# KiCad board poly_kb_molecule_16x5.kicad_pcb (continued)
## Placement (name value [footprint] x y rotation side) (continued)
C6#41  1uF  [C_0402_1005Metric]  274.95 49.91 0 bottom
C6#42  1uF  [C_0402_1005Metric]  179.71 49.91 0 bottom
C6#43  1uF  [C_0402_1005Metric]  84.45 49.91 0 bottom
C6#44  1uF  [C_0402_1005Metric]  141.6 88.01 0 bottom
C6#45  1uF  [C_0402_1005Metric]  27.3 11.81 0 bottom
C6#46  1uF  [C_0402_1005Metric]  27.3 68.96 0 bottom
C6#47  1uF  [C_0402_1005Metric]  294 11.81 0 bottom
C6#48  1uF  [C_0402_1005Metric]  46.36 11.81 0 bottom
C6#49  1uF  [C_0402_1005Metric]  122.56 11.81 0 bottom
C6#50  1uF  [C_0402_1005Metric]  122.56 49.91 0 bottom
C6#51  1uF  [C_0402_1005Metric]  198.75 68.96 0 bottom
C6#52  1uF  [C_0402_1005Metric]  122.56 88.01 0 bottom
C6#53  1uF  [C_0402_1005Metric]  255.9 68.96 0 bottom
C6#54  1uF  [C_0402_1005Metric]  65.41 68.96 0 bottom
C6#55  1uF  [C_0402_1005Metric]  46.36 68.96 0 bottom
C6#56  1uF  [C_0402_1005Metric]  103.5 11.81 0 bottom
C6#57  1uF  [C_0402_1005Metric]  217.81 88.01 0 bottom
C6#58  1uF  [C_0402_1005Metric]  84.45 30.86 0 bottom
C6#59  1uF  [C_0402_1005Metric]  294 49.91 0 bottom
C6#60  1uF  [C_0402_1005Metric]  179.71 30.86 0 bottom
C6#61  1uF  [C_0402_1005Metric]  65.41 88.01 0 bottom
C6#62  1uF  [C_0402_1005Metric]  160.66 11.81 0 bottom
C6#63  1uF  [C_0402_1005Metric]  141.6 30.86 0 bottom
C6#64  1uF  [C_0402_1005Metric]  141.6 11.81 0 bottom
C6#65  1uF  [C_0402_1005Metric]  84.45 11.81 0 bottom
C6#66  1uF  [C_0402_1005Metric]  294 30.86 0 bottom
C6#67  1uF  [C_0402_1005Metric]  236.86 49.91 0 bottom
C6#68  1uF  [C_0402_1005Metric]  179.71 88.01 0 bottom
C6#69  1uF  [C_0402_1005Metric]  236.86 30.86 0 bottom
C6#70  1uF  [C_0402_1005Metric]  217.81 49.91 0 bottom
C6#71  1uF  [C_0402_1005Metric]  27.3 30.86 0 bottom
C6#72  1uF  [C_0402_1005Metric]  294 88.01 0 bottom
C6#73  1uF  [C_0402_1005Metric]  236.86 68.96 0 bottom
C6#74  1uF  [C_0402_1005Metric]  65.41 11.81 0 bottom
C6#75  1uF  [C_0402_1005Metric]  27.3 49.91 0 bottom
C6#76  1uF  [C_0402_1005Metric]  141.6 68.96 0 bottom
C6#77  1uF  [C_0402_1005Metric]  160.66 68.96 0 bottom
C6#78  1uF  [C_0402_1005Metric]  198.75 11.81 0 bottom
C6#79  1uF  [C_0402_1005Metric]  198.75 49.91 0 bottom
C6#80  1uF  [C_0402_1005Metric]  236.86 11.81 0 bottom
C7  100nF  [C_0603_1608Metric]  291.12 55.21 270 top
C7#2  100nF  [C_0603_1608Metric]  272.07 36.16 270 top
C7#3  100nF  [C_0603_1608Metric]  291.12 74.26 270 top
C7#4  100nF  [C_0603_1608Metric]  81.57 74.26 270 top
C7#5  100nF  [C_0603_1608Metric]  176.82 17.11 270 top
C7#6  100nF  [C_0603_1608Metric]  100.62 74.26 270 top
C7#7  100nF  [C_0603_1608Metric]  119.67 93.31 270 top
C7#8  100nF  [C_0603_1608Metric]  5.37 74.26 270 top
C7#9  100nF  [C_0603_1608Metric]  62.52 55.21 270 top
C7#10  100nF  [C_0603_1608Metric]  138.72 36.16 270 top
C7#11  100nF  [C_0603_1608Metric]  291.12 17.11 270 top
C7#12  100nF  [C_0603_1608Metric]  233.97 74.26 270 top
C7#13  100nF  [C_0603_1608Metric]  62.52 74.26 270 top
C7#14  100nF  [C_0603_1608Metric]  272.07 17.11 270 top
C7#15  100nF  [C_0603_1608Metric]  100.62 17.11 270 top
C7#16  100nF  [C_0603_1608Metric]  157.77 74.26 270 top
C7#17  100nF  [C_0603_1608Metric]  138.72 55.21 270 top
C7#18  100nF  [C_0603_1608Metric]  195.87 74.26 270 top
C7#19  100nF  [C_0603_1608Metric]  119.67 74.26 270 top
C7#20  100nF  [C_0603_1608Metric]  43.47 93.31 270 top
C7#21  100nF  [C_0603_1608Metric]  214.92 74.26 270 top
C7#22  100nF  [C_0603_1608Metric]  214.92 55.21 270 top
C7#23  100nF  [C_0603_1608Metric]  5.37 17.11 270 top
C7#24  100nF  [C_0603_1608Metric]  233.97 55.21 270 top
C7#25  100nF  [C_0603_1608Metric]  138.72 74.26 270 top
C7#26  100nF  [C_0603_1608Metric]  253.02 74.26 270 top
C7#27  100nF  [C_0603_1608Metric]  291.12 93.31 270 top
C7#28  100nF  [C_0603_1608Metric]  24.42 74.26 270 top
C7#29  100nF  [C_0603_1608Metric]  157.77 55.21 270 top
C7#30  100nF  [C_0603_1608Metric]  119.67 17.11 270 top
C7#31  100nF  [C_0603_1608Metric]  157.77 17.11 270 top
C7#32  100nF  [C_0603_1608Metric]  233.97 36.16 270 top
C7#33  100nF  [C_0603_1608Metric]  138.72 93.31 270 top
C7#34  100nF  [C_0603_1608Metric]  62.52 17.11 270 top
C7#35  100nF  [C_0603_1608Metric]  233.97 93.31 270 top
C7#36  100nF  [C_0603_1608Metric]  119.67 36.16 270 top
C7#37  100nF  [C_0603_1608Metric]  62.52 93.31 270 top
C7#38  100nF  [C_0603_1608Metric]  119.67 55.21 270 top
C7#39  100nF  [C_0603_1608Metric]  157.77 93.31 270 top
C7#40  100nF  [C_0603_1608Metric]  43.47 36.16 270 top
C7#41  100nF  [C_0603_1608Metric]  195.87 36.16 270 top
C7#42  100nF  [C_0603_1608Metric]  272.07 55.21 270 top
C7#43  100nF  [C_0603_1608Metric]  81.57 17.11 270 top
C7#44  100nF  [C_0603_1608Metric]  272.07 93.31 270 top
C7#45  100nF  [C_0603_1608Metric]  24.42 36.16 270 top
C7#46  100nF  [C_0603_1608Metric]  81.57 93.31 270 top
C7#47  100nF  [C_0603_1608Metric]  253.02 36.16 270 top
C7#48  100nF  [C_0603_1608Metric]  5.37 93.31 270 top
C7#49  100nF  [C_0603_1608Metric]  272.07 74.26 270 top
C7#50  100nF  [C_0603_1608Metric]  5.37 36.16 270 top
C7#51  100nF  [C_0603_1608Metric]  176.82 74.26 270 top
C7#52  100nF  [C_0603_1608Metric]  214.92 36.16 270 top
C7#53  100nF  [C_0603_1608Metric]  24.42 17.11 270 top
C7#54  100nF  [C_0603_1608Metric]  195.87 17.11 270 top
C7#55  100nF  [C_0603_1608Metric]  100.62 55.21 270 top
C7#56  100nF  [C_0603_1608Metric]  100.62 93.31 270 top
C7#57  100nF  [C_0603_1608Metric]  253.02 17.11 270 top
C7#58  100nF  [C_0603_1608Metric]  214.92 93.31 270 top
C7#59  100nF  [C_0603_1608Metric]  43.47 74.26 270 top
C7#60  100nF  [C_0603_1608Metric]  81.57 36.16 270 top
C7#61  100nF  [C_0603_1608Metric]  253.02 93.31 270 top
C7#62  100nF  [C_0603_1608Metric]  176.82 55.21 270 top
C7#63  100nF  [C_0603_1608Metric]  233.97 17.11 270 top
C7#64  100nF  [C_0603_1608Metric]  5.37 55.21 270 top
C7#65  100nF  [C_0603_1608Metric]  100.62 36.16 270 top
C7#66  100nF  [C_0603_1608Metric]  24.42 55.21 270 top
C7#67  100nF  [C_0603_1608Metric]  24.42 93.31 270 top
C7#68  100nF  [C_0603_1608Metric]  253.02 55.21 270 top
C7#69  100nF  [C_0603_1608Metric]  195.87 55.21 270 top
C7#70  100nF  [C_0603_1608Metric]  81.57 55.21 270 top
C7#71  100nF  [C_0603_1608Metric]  157.77 36.16 270 top
C7#72  100nF  [C_0603_1608Metric]  214.92 17.11 270 top
C7#73  100nF  [C_0603_1608Metric]  138.72 17.11 270 top
C7#74  100nF  [C_0603_1608Metric]  43.47 17.11 270 top
C7#75  100nF  [C_0603_1608Metric]  176.82 93.31 270 top
C7#76  100nF  [C_0603_1608Metric]  195.87 93.31 270 top
C7#77  100nF  [C_0603_1608Metric]  176.82 36.16 270 top
C7#78  100nF  [C_0603_1608Metric]  291.12 36.16 270 top
C7#79  100nF  [C_0603_1608Metric]  43.47 55.21 270 top
C7#80  100nF  [C_0603_1608Metric]  62.52 36.16 270 top
D1  D_Small  [D_SOD-323Ext]  6.22 82.45 180 bottom
D1#2  D_Small  [D_SOD-323Ext]  25.27 82.45 180 bottom
D1#3  D_Small  [D_SOD-323Ext]  158.62 6.25 180 bottom
D1#4  D_Small  [D_SOD-323Ext]  158.62 63.4 180 bottom
D1#5  D_Small  [D_SOD-323Ext]  139.57 44.35 180 bottom
D1#6  D_Small  [D_SOD-323Ext]  101.47 82.45 180 bottom
D1#7  D_Small  [D_SOD-323Ext]  82.42 44.35 180 bottom
D1#8  D_Small  [D_SOD-323Ext]  177.67 6.25 180 bottom
D1#9  D_Small  [D_SOD-323Ext]  177.67 44.35 180 bottom
D1#10  D_Small  [D_SOD-323Ext]  44.32 6.25 180 bottom
D1#11  D_Small  [D_SOD-323Ext]  44.32 82.45 180 bottom
D1#12  D_Small  [D_SOD-323Ext]  196.72 63.4 180 bottom
D1#13  D_Small  [D_SOD-323Ext]  196.72 25.3 180 bottom
D1#14  D_Small  [D_SOD-323Ext]  177.67 25.3 180 bottom
D1#15  D_Small  [D_SOD-323Ext]  215.77 63.4 180 bottom
D1#16  D_Small  [D_SOD-323Ext]  120.52 82.45 180 bottom
D1#17  D_Small  [D_SOD-323Ext]  215.77 6.25 180 bottom
D1#18  D_Small  [D_SOD-323Ext]  63.37 25.3 180 bottom
D1#19  D_Small  [D_SOD-323Ext]  44.32 63.4 180 bottom
D1#20  D_Small  [D_SOD-323Ext]  177.67 82.45 180 bottom
D1#21  D_Small  [D_SOD-323Ext]  215.77 25.3 180 bottom
D1#22  D_Small  [D_SOD-323Ext]  234.82 25.3 180 bottom
D1#23  D_Small  [D_SOD-323Ext]  253.87 6.25 180 bottom
D1#24  D_Small  [D_SOD-323Ext]  63.37 82.45 180 bottom
D1#25  D_Small  [D_SOD-323Ext]  101.47 25.3 180 bottom
D1#26  D_Small  [D_SOD-323Ext]  101.47 6.25 180 bottom
D1#27  D_Small  [D_SOD-323Ext]  25.27 25.3 180 bottom
D1#28  D_Small  [D_SOD-323Ext]  82.42 82.45 180 bottom
D1#29  D_Small  [D_SOD-323Ext]  272.92 44.35 180 bottom
D1#30  D_Small  [D_SOD-323Ext]  272.92 63.4 180 bottom
D1#31  D_Small  [D_SOD-323Ext]  234.82 82.45 180 bottom
D1#32  D_Small  [D_SOD-323Ext]  82.42 6.25 180 bottom
D1#33  D_Small  [D_SOD-323Ext]  291.97 6.25 180 bottom
D1#34  D_Small  [D_SOD-323Ext]  139.57 6.25 180 bottom
D1#35  D_Small  [D_SOD-323Ext]  234.82 63.4 180 bottom
D1#36  D_Small  [D_SOD-323Ext]  44.32 25.3 180 bottom
D1#37  D_Small  [D_SOD-323Ext]  177.67 63.4 180 bottom
D1#38  D_Small  [D_SOD-323Ext]  6.22 63.4 180 bottom
D1#39  D_Small  [D_SOD-323Ext]  253.87 63.4 180 bottom
D1#40  D_Small  [D_SOD-323Ext]  82.42 25.3 180 bottom
D1#41  D_Small  [D_SOD-323Ext]  120.52 63.4 180 bottom
D1#42  D_Small  [D_SOD-323Ext]  196.72 82.45 180 bottom
D1#43  D_Small  [D_SOD-323Ext]  291.97 82.45 180 bottom
D1#44  D_Small  [D_SOD-323Ext]  158.62 25.3 180 bottom
D1#45  D_Small  [D_SOD-323Ext]  196.72 44.35 180 bottom
D1#46  D_Small  [D_SOD-323Ext]  253.87 82.45 180 bottom
D1#47  D_Small  [D_SOD-323Ext]  101.47 63.4 180 bottom
D1#48  D_Small  [D_SOD-323Ext]  6.22 6.25 180 bottom
D1#49  D_Small  [D_SOD-323Ext]  63.37 63.4 180 bottom
D1#50  D_Small  [D_SOD-323Ext]  234.82 44.35 180 bottom
D1#51  D_Small  [D_SOD-323Ext]  44.32 44.35 180 bottom
D1#52  D_Small  [D_SOD-323Ext]  234.82 6.25 180 bottom
D1#53  D_Small  [D_SOD-323Ext]  215.77 82.45 180 bottom
D1#54  D_Small  [D_SOD-323Ext]  291.97 25.3 180 bottom
D1#55  D_Small  [D_SOD-323Ext]  139.57 82.45 180 bottom
D1#56  D_Small  [D_SOD-323Ext]  25.27 63.4 180 bottom
D1#57  D_Small  [D_SOD-323Ext]  291.97 63.4 180 bottom
D1#58  D_Small  [D_SOD-323Ext]  120.52 25.3 180 bottom
D1#59  D_Small  [D_SOD-323Ext]  215.77 44.35 180 bottom
D1#60  D_Small  [D_SOD-323Ext]  101.47 44.35 180 bottom
D1#61  D_Small  [D_SOD-323Ext]  158.62 44.35 180 bottom
D1#62  D_Small  [D_SOD-323Ext]  6.22 44.35 180 bottom
D1#63  D_Small  [D_SOD-323Ext]  25.27 44.35 180 bottom
D1#64  D_Small  [D_SOD-323Ext]  253.87 44.35 180 bottom
D1#65  D_Small  [D_SOD-323Ext]  272.92 6.25 180 bottom
D1#66  D_Small  [D_SOD-323Ext]  25.27 6.25 180 bottom
D1#67  D_Small  [D_SOD-323Ext]  139.57 63.4 180 bottom
D1#68  D_Small  [D_SOD-323Ext]  120.52 6.25 180 bottom
D1#69  D_Small  [D_SOD-323Ext]  6.22 25.3 180 bottom
D1#70  D_Small  [D_SOD-323Ext]  158.62 82.45 180 bottom
D1#71  D_Small  [D_SOD-323Ext]  82.42 63.4 180 bottom
D1#72  D_Small  [D_SOD-323Ext]  272.92 82.45 180 bottom
D1#73  D_Small  [D_SOD-323Ext]  196.72 6.25 180 bottom
D1#74  D_Small  [D_SOD-323Ext]  272.92 25.3 180 bottom
D1#75  D_Small  [D_SOD-323Ext]  291.97 44.35 180 bottom
D1#76  D_Small  [D_SOD-323Ext]  63.37 44.35 180 bottom
D1#77  D_Small  [D_SOD-323Ext]  63.37 6.25 180 bottom
D1#78  D_Small  [D_SOD-323Ext]  139.57 25.3 180 bottom
D1#79  D_Small  [D_SOD-323Ext]  253.87 25.3 180 bottom
D1#80  D_Small  [D_SOD-323Ext]  120.52 44.35 180 bottom
J1  Conn_01x16  [FPC_16_JUSHUO_AFC05_S16FIA_00]  9.52 91.44 0 bottom
J1#2  Conn_01x16  [FPC_16_JUSHUO_AFC05_S16FIA_00]  276.23 34.29 0 bottom
J1#3  Conn_01x16  [FPC_16_JUSHUO_AFC05_S16FIA_00]  28.58 34.29 0 bottom
J1#4  Conn_01x16  [FPC_16_JUSHUO_AFC05_S16FIA_00]  66.67 34.29 0 bottom
J1#5  Conn_01x16  [FPC_16_JUSHUO_AFC05_S16FIA_00]  47.62 72.39 0 bottom
J1#6  Conn_01x16  [FPC_16_JUSHUO_AFC05_S16FIA_00]  123.82 34.29 0 bottom
J1#7  Conn_01x16  [FPC_16_JUSHUO_AFC05_S16FIA_00]  9.52 34.29 0 bottom
J1#8  Conn_01x16  [FPC_16_JUSHUO_AFC05_S16FIA_00]  104.78 53.34 0 bottom
J1#9  Conn_01x16  [FPC_16_JUSHUO_AFC05_S16FIA_00]  257.18 72.39 0 bottom
J1#10  Conn_01x16  [FPC_16_JUSHUO_AFC05_S16FIA_00]  200.03 15.24 0 bottom
J1#11  Conn_01x16  [FPC_16_JUSHUO_AFC05_S16FIA_00]  123.82 15.24 0 bottom
J1#12  Conn_01x16  [FPC_16_JUSHUO_AFC05_S16FIA_00]  9.52 53.34 0 bottom
J1#13  Conn_01x16  [FPC_16_JUSHUO_AFC05_S16FIA_00]  47.62 91.44 0 bottom
J1#14  Conn_01x16  [FPC_16_JUSHUO_AFC05_S16FIA_00]  200.03 72.39 0 bottom
J1#15  Conn_01x16  [FPC_16_JUSHUO_AFC05_S16FIA_00]  142.88 53.34 0 bottom
J1#16  Conn_01x16  [FPC_16_JUSHUO_AFC05_S16FIA_00]  161.93 34.29 0 bottom
J1#17  Conn_01x16  [FPC_16_JUSHUO_AFC05_S16FIA_00]  47.62 53.34 0 bottom
J1#18  Conn_01x16  [FPC_16_JUSHUO_AFC05_S16FIA_00]  180.97 91.44 0 bottom
J1#19  Conn_01x16  [FPC_16_JUSHUO_AFC05_S16FIA_00]  180.97 34.29 0 bottom
J1#20  Conn_01x16  [FPC_16_JUSHUO_AFC05_S16FIA_00]  28.58 15.24 0 bottom
J1#21  Conn_01x16  [FPC_16_JUSHUO_AFC05_S16FIA_00]  219.07 15.24 0 bottom
J1#22  Conn_01x16  [FPC_16_JUSHUO_AFC05_S16FIA_00]  85.72 91.44 0 bottom
J1#23  Conn_01x16  [FPC_16_JUSHUO_AFC05_S16FIA_00]  142.88 15.24 0 bottom
J1#24  Conn_01x16  [FPC_16_JUSHUO_AFC05_S16FIA_00]  276.23 15.24 0 bottom
J1#25  Conn_01x16  [FPC_16_JUSHUO_AFC05_S16FIA_00]  161.93 91.44 0 bottom
J1#26  Conn_01x16  [FPC_16_JUSHUO_AFC05_S16FIA_00]  200.03 34.29 0 bottom
J1#27  Conn_01x16  [FPC_16_JUSHUO_AFC05_S16FIA_00]  161.93 53.34 0 bottom
J1#28  Conn_01x16  [FPC_16_JUSHUO_AFC05_S16FIA_00]  142.88 72.39 0 bottom
J1#29  Conn_01x16  [FPC_16_JUSHUO_AFC05_S16FIA_00]  276.23 91.44 0 bottom
J1#30  Conn_01x16  [FPC_16_JUSHUO_AFC05_S16FIA_00]  161.93 72.39 0 bottom
J1#31  Conn_01x16  [FPC_16_JUSHUO_AFC05_S16FIA_00]  200.03 91.44 0 bottom
J1#32  Conn_01x16  [FPC_16_JUSHUO_AFC05_S16FIA_00]  257.18 34.29 0 bottom
J1#33  Conn_01x16  [FPC_16_JUSHUO_AFC05_S16FIA_00]  104.78 72.39 0 bottom
J1#34  Conn_01x16  [FPC_16_JUSHUO_AFC05_S16FIA_00]  276.23 72.39 0 bottom
J1#35  Conn_01x16  [FPC_16_JUSHUO_AFC05_S16FIA_00]  66.67 91.44 0 bottom
J1#36  Conn_01x16  [FPC_16_JUSHUO_AFC05_S16FIA_00]  123.82 53.34 0 bottom
J1#37  Conn_01x16  [FPC_16_JUSHUO_AFC05_S16FIA_00]  123.82 72.39 0 bottom
J1#38  Conn_01x16  [FPC_16_JUSHUO_AFC05_S16FIA_00]  85.72 53.34 0 bottom
J1#39  Conn_01x16  [FPC_16_JUSHUO_AFC05_S16FIA_00]  238.12 72.39 0 bottom
J1#40  Conn_01x16  [FPC_16_JUSHUO_AFC05_S16FIA_00]  219.07 53.34 0 bottom
J1#41  Conn_01x16  [FPC_16_JUSHUO_AFC05_S16FIA_00]  9.52 15.24 0 bottom
J1#42  Conn_01x16  [FPC_16_JUSHUO_AFC05_S16FIA_00]  180.97 15.24 0 bottom
J1#43  Conn_01x16  [FPC_16_JUSHUO_AFC05_S16FIA_00]  28.58 53.34 0 bottom
J1#44  Conn_01x16  [FPC_16_JUSHUO_AFC05_S16FIA_00]  295.27 15.24 0 bottom
J1#45  Conn_01x16  [FPC_16_JUSHUO_AFC05_S16FIA_00]  295.27 53.34 0 bottom
J1#46  Conn_01x16  [FPC_16_JUSHUO_AFC05_S16FIA_00]  257.18 15.24 0 bottom
J1#47  Conn_01x16  [FPC_16_JUSHUO_AFC05_S16FIA_00]  28.58 91.44 0 bottom
J1#48  Conn_01x16  [FPC_16_JUSHUO_AFC05_S16FIA_00]  238.12 53.34 0 bottom
J1#49  Conn_01x16  [FPC_16_JUSHUO_AFC05_S16FIA_00]  295.27 34.29 0 bottom
J1#50  Conn_01x16  [FPC_16_JUSHUO_AFC05_S16FIA_00]  219.07 34.29 0 bottom
J1#51  Conn_01x16  [FPC_16_JUSHUO_AFC05_S16FIA_00]  85.72 15.24 0 bottom
J1#52  Conn_01x16  [FPC_16_JUSHUO_AFC05_S16FIA_00]  295.27 72.39 0 bottom
J1#53  Conn_01x16  [FPC_16_JUSHUO_AFC05_S16FIA_00]  123.82 91.44 0 bottom
J1#54  Conn_01x16  [FPC_16_JUSHUO_AFC05_S16FIA_00]  257.18 91.44 0 bottom
J1#55  Conn_01x16  [FPC_16_JUSHUO_AFC05_S16FIA_00]  47.62 15.24 0 bottom
J1#56  Conn_01x16  [FPC_16_JUSHUO_AFC05_S16FIA_00]  142.88 34.29 0 bottom
J1#57  Conn_01x16  [FPC_16_JUSHUO_AFC05_S16FIA_00]  66.67 15.24 0 bottom
J1#58  Conn_01x16  [FPC_16_JUSHUO_AFC05_S16FIA_00]  28.58 72.39 0 bottom
J1#59  Conn_01x16  [FPC_16_JUSHUO_AFC05_S16FIA_00]  104.78 15.24 0 bottom
J1#60  Conn_01x16  [FPC_16_JUSHUO_AFC05_S16FIA_00]  238.12 34.29 0 bottom
J1#61  Conn_01x16  [FPC_16_JUSHUO_AFC05_S16FIA_00]  238.12 91.44 0 bottom
J1#62  Conn_01x16  [FPC_16_JUSHUO_AFC05_S16FIA_00]  180.97 72.39 0 bottom
J1#63  Conn_01x16  [FPC_16_JUSHUO_AFC05_S16FIA_00]  142.88 91.44 0 bottom
J1#64  Conn_01x16  [FPC_16_JUSHUO_AFC05_S16FIA_00]  200.03 53.34 0 bottom
J1#65  Conn_01x16  [FPC_16_JUSHUO_AFC05_S16FIA_00]  66.67 72.39 0 bottom
J1#66  Conn_01x16  [FPC_16_JUSHUO_AFC05_S16FIA_00]  257.18 53.34 0 bottom
J1#67  Conn_01x16  [FPC_16_JUSHUO_AFC05_S16FIA_00]  180.97 53.34 0 bottom
J1#68  Conn_01x16  [FPC_16_JUSHUO_AFC05_S16FIA_00]  161.93 15.24 0 bottom
J1#69  Conn_01x16  [FPC_16_JUSHUO_AFC05_S16FIA_00]  47.62 34.29 0 bottom
J1#70  Conn_01x16  [FPC_16_JUSHUO_AFC05_S16FIA_00]  66.67 53.34 0 bottom
J1#71  Conn_01x16  [FPC_16_JUSHUO_AFC05_S16FIA_00]  85.72 72.39 0 bottom
J1#72  Conn_01x16  [FPC_16_JUSHUO_AFC05_S16FIA_00]  219.07 72.39 0 bottom
J1#73  Conn_01x16  [FPC_16_JUSHUO_AFC05_S16FIA_00]  238.12 15.24 0 bottom
J1#74  Conn_01x16  [FPC_16_JUSHUO_AFC05_S16FIA_00]  85.72 34.29 0 bottom
J1#75  Conn_01x16  [FPC_16_JUSHUO_AFC05_S16FIA_00]  219.07 91.44 0 bottom
J1#76  Conn_01x16  [FPC_16_JUSHUO_AFC05_S16FIA_00]  104.78 91.44 0 bottom
J1#77  Conn_01x16  [FPC_16_JUSHUO_AFC05_S16FIA_00]  9.52 72.39 0 bottom
J1#78  Conn_01x16  [FPC_16_JUSHUO_AFC05_S16FIA_00]  276.23 53.34 0 bottom
J1#79  Conn_01x16  [FPC_16_JUSHUO_AFC05_S16FIA_00]  295.27 91.44 0 bottom
J1#80  Conn_01x16  [FPC_16_JUSHUO_AFC05_S16FIA_00]  104.78 34.29 0 bottom
J2  North  [TestPoin_1.5x1.5mm_Drill0.7mm]  15.49 94.49 0 top
J2#2  North  [TestPoin_1.5x1.5mm_Drill0.7mm]  34.54 94.49 0 top
J2#3  North  [TestPoin_1.5x1.5mm_Drill0.7mm]  148.84 94.49 0 top
J2#4  North  [TestPoin_1.5x1.5mm_Drill0.7mm]  186.94 94.49 0 top
J2#5  North  [TestPoin_1.5x1.5mm_Drill0.7mm]  301.24 94.49 0 top
J2#6  North  [TestPoin_1.5x1.5mm_Drill0.7mm]  72.64 94.49 0 top
J2#7  North  [TestPoin_1.5x1.5mm_Drill0.7mm]  53.59 94.49 0 top
J2#8  North  [TestPoin_1.5x1.5mm_Drill0.7mm]  244.09 94.49 0 top
J2#9  North  [TestPoin_1.5x1.5mm_Drill0.7mm]  205.99 94.49 0 top
J2#10  North  [TestPoin_1.5x1.5mm_Drill0.7mm]  282.19 94.49 0 top
J2#11  North  [TestPoin_1.5x1.5mm_Drill0.7mm]  167.89 94.49 0 top
J2#12  North  [TestPoin_1.5x1.5mm_Drill0.7mm]  110.74 94.49 0 top
J2#13  North  [TestPoin_1.5x1.5mm_Drill0.7mm]  263.14 94.49 0 top
J2#14  North  [TestPoin_1.5x1.5mm_Drill0.7mm]  129.79 94.49 0 top
J2#15  North  [TestPoin_1.5x1.5mm_Drill0.7mm]  91.69 94.49 0 top
J2#16  North  [TestPoin_1.5x1.5mm_Drill0.7mm]  225.04 94.49 0 top
J3  WestFront  [AtomConnect2]  1.02 85.72 270 top
J3#2  WestFront  [AtomConnect2]  115.32 66.67 270 top
J3#3  WestFront  [AtomConnect2]  172.47 9.53 270 top
J3#4  WestFront  [AtomConnect2]  286.77 28.58 270 top
J3#5  WestFront  [AtomConnect2]  248.67 9.53 270 top
J3#6  WestFront  [AtomConnect2]  20.07 47.62 270 top
J3#7  WestFront  [AtomConnect2]  115.32 47.62 270 top
J3#8  WestFront  [AtomConnect2]  153.42 28.58 270 top
J3#9  WestFront  [AtomConnect2]  39.12 9.53 270 top
J3#10  WestFront  [AtomConnect2]  267.72 9.53 270 top
J3#11  WestFront  [AtomConnect2]  134.37 28.58 270 top
J3#12  WestFront  [AtomConnect2]  77.22 28.58 270 top
J3#13  WestFront  [AtomConnect2]  229.62 85.72 270 top
J3#14  WestFront  [AtomConnect2]  210.57 28.58 270 top
J3#15  WestFront  [AtomConnect2]  267.72 85.72 270 top
J3#16  WestFront  [AtomConnect2]  191.52 9.53 270 top
J3#17  WestFront  [AtomConnect2]  77.22 9.53 270 top
J3#18  WestFront  [AtomConnect2]  286.77 9.53 270 top
J3#19  WestFront  [AtomConnect2]  229.62 66.67 270 top
J3#20  WestFront  [AtomConnect2]  1.02 47.62 270 top
J3#21  WestFront  [AtomConnect2]  58.17 66.67 270 top
J3#22  WestFront  [AtomConnect2]  39.12 47.62 270 top
J3#23  WestFront  [AtomConnect2]  153.42 85.72 270 top
J3#24  WestFront  [AtomConnect2]  191.52 47.62 270 top
J3#25  WestFront  [AtomConnect2]  115.32 9.53 270 top
J3#26  WestFront  [AtomConnect2]  172.47 66.67 270 top
J3#27  WestFront  [AtomConnect2]  77.22 66.67 270 top
J3#28  WestFront  [AtomConnect2]  20.07 28.58 270 top
J3#29  WestFront  [AtomConnect2]  1.02 9.53 270 top
J3#30  WestFront  [AtomConnect2]  20.07 66.67 270 top
J3#31  WestFront  [AtomConnect2]  1.02 66.67 270 top
J3#32  WestFront  [AtomConnect2]  77.22 85.72 270 top
J3#33  WestFront  [AtomConnect2]  286.77 47.62 270 top
J3#34  WestFront  [AtomConnect2]  267.72 47.62 270 top
J3#35  WestFront  [AtomConnect2]  172.47 28.58 270 top
J3#36  WestFront  [AtomConnect2]  172.47 47.62 270 top
J3#37  WestFront  [AtomConnect2]  267.72 28.58 270 top
J3#38  WestFront  [AtomConnect2]  229.62 9.53 270 top
J3#39  WestFront  [AtomConnect2]  210.57 66.67 270 top
J3#40  WestFront  [AtomConnect2]  20.07 85.72 270 top
J3#41  WestFront  [AtomConnect2]  134.37 66.67 270 top
J3#42  WestFront  [AtomConnect2]  96.27 28.58 270 top
J3#43  WestFront  [AtomConnect2]  153.42 66.67 270 top
J3#44  WestFront  [AtomConnect2]  229.62 28.58 270 top
J3#45  WestFront  [AtomConnect2]  58.17 85.72 270 top
J3#46  WestFront  [AtomConnect2]  58.17 47.62 270 top
J3#47  WestFront  [AtomConnect2]  210.57 47.62 270 top
J3#48  WestFront  [AtomConnect2]  248.67 28.58 270 top
J3#49  WestFront  [AtomConnect2]  115.32 28.58 270 top
J3#50  WestFront  [AtomConnect2]  20.07 9.53 270 top
J3#51  WestFront  [AtomConnect2]  134.37 85.72 270 top
J3#52  WestFront  [AtomConnect2]  58.17 9.53 270 top
J3#53  WestFront  [AtomConnect2]  191.52 85.72 270 top
J3#54  WestFront  [AtomConnect2]  210.57 9.53 270 top
J3#55  WestFront  [AtomConnect2]  96.27 47.62 270 top
J3#56  WestFront  [AtomConnect2]  229.62 47.62 270 top
J3#57  WestFront  [AtomConnect2]  1.02 28.58 270 top
J3#58  WestFront  [AtomConnect2]  39.12 28.58 270 top
J3#59  WestFront  [AtomConnect2]  39.12 66.67 270 top
J3#60  WestFront  [AtomConnect2]  267.72 66.67 270 top
J3#61  WestFront  [AtomConnect2]  248.67 85.72 270 top
J3#62  WestFront  [AtomConnect2]  286.77 85.72 270 top
J3#63  WestFront  [AtomConnect2]  191.52 28.58 270 top
J3#64  WestFront  [AtomConnect2]  153.42 47.62 270 top
J3#65  WestFront  [AtomConnect2]  115.32 85.72 270 top
J3#66  WestFront  [AtomConnect2]  134.37 9.53 270 top
J3#67  WestFront  [AtomConnect2]  96.27 9.53 270 top
J3#68  WestFront  [AtomConnect2]  172.47 85.72 270 top
J3#69  WestFront  [AtomConnect2]  134.37 47.62 270 top
J3#70  WestFront  [AtomConnect2]  210.57 85.72 270 top
J3#71  WestFront  [AtomConnect2]  153.42 9.53 270 top
J3#72  WestFront  [AtomConnect2]  248.67 66.67 270 top
J3#73  WestFront  [AtomConnect2]  96.27 85.72 270 top
J3#74  WestFront  [AtomConnect2]  96.27 66.67 270 top
J3#75  WestFront  [AtomConnect2]  286.77 66.67 270 top
J3#76  WestFront  [AtomConnect2]  191.52 66.67 270 top
J3#77  WestFront  [AtomConnect2]  39.12 85.72 270 top
J3#78  WestFront  [AtomConnect2]  58.17 28.58 270 top
J3#79  WestFront  [AtomConnect2]  77.22 47.62 270 top
J3#80  WestFront  [AtomConnect2]  248.67 47.62 270 top
J4  EastFront  [AtomConnect2]  18.03 85.72 270 top
J4#2  EastFront  [AtomConnect2]  303.78 47.62 270 top
J4#3  EastFront  [AtomConnect2]  170.43 47.62 270 top
J4#4  EastFront  [AtomConnect2]  227.58 66.67 270 top
J4#5  EastFront  [AtomConnect2]  132.33 28.58 270 top
J4#6  EastFront  [AtomConnect2]  246.63 47.62 270 top
J4#7  EastFront  [AtomConnect2]  189.48 47.62 270 top
J4#8  EastFront  [AtomConnect2]  56.13 47.62 270 top
J4#9  EastFront  [AtomConnect2]  208.53 66.67 270 top
J4#10  EastFront  [AtomConnect2]  113.28 28.58 270 top
J4#11  EastFront  [AtomConnect2]  75.18 66.67 270 top
J4#12  EastFront  [AtomConnect2]  132.33 9.53 270 top
J4#13  EastFront  [AtomConnect2]  227.58 28.58 270 top
J4#14  EastFront  [AtomConnect2]  151.38 66.67 270 top
J4#15  EastFront  [AtomConnect2]  208.53 9.53 270 top
J4#16  EastFront  [AtomConnect2]  113.28 66.67 270 top
J4#17  EastFront  [AtomConnect2]  18.03 9.53 270 top
J4#18  EastFront  [AtomConnect2]  265.68 47.62 270 top
J4#19  EastFront  [AtomConnect2]  303.78 85.72 270 top
J4#20  EastFront  [AtomConnect2]  132.33 66.67 270 top
J4#21  EastFront  [AtomConnect2]  18.03 47.62 270 top
J4#22  EastFront  [AtomConnect2]  94.23 9.53 270 top
J4#23  EastFront  [AtomConnect2]  132.33 47.62 270 top
J4#24  EastFront  [AtomConnect2]  227.58 47.62 270 top
J4#25  EastFront  [AtomConnect2]  75.18 9.53 270 top
J4#26  EastFront  [AtomConnect2]  75.18 85.72 270 top
J4#27  EastFront  [AtomConnect2]  284.73 85.72 270 top
J4#28  EastFront  [AtomConnect2]  170.43 9.53 270 top
J4#29  EastFront  [AtomConnect2]  37.08 66.67 270 top
J4#30  EastFront  [AtomConnect2]  94.23 85.72 270 top
J4#31  EastFront  [AtomConnect2]  303.78 9.53 270 top
J4#32  EastFront  [AtomConnect2]  265.68 28.58 270 top
J4#33  EastFront  [AtomConnect2]  113.28 47.62 270 top
J4#34  EastFront  [AtomConnect2]  113.28 85.72 270 top
J4#35  EastFront  [AtomConnect2]  208.53 28.58 270 top
J4#36  EastFront  [AtomConnect2]  151.38 28.58 270 top
J4#37  EastFront  [AtomConnect2]  284.73 66.67 270 top
J4#38  EastFront  [AtomConnect2]  246.63 9.53 270 top
J4#39  EastFront  [AtomConnect2]  265.68 66.67 270 top
J4#40  EastFront  [AtomConnect2]  37.08 9.53 270 top
J4#41  EastFront  [AtomConnect2]  284.73 9.53 270 top
J4#42  EastFront  [AtomConnect2]  56.13 66.67 270 top
J4#43  EastFront  [AtomConnect2]  189.48 85.72 270 top
J4#44  EastFront  [AtomConnect2]  113.28 9.53 270 top
J4#45  EastFront  [AtomConnect2]  132.33 85.72 270 top
J4#46  EastFront  [AtomConnect2]  189.48 66.67 270 top
J4#47  EastFront  [AtomConnect2]  94.23 28.58 270 top
J4#48  EastFront  [AtomConnect2]  75.18 47.62 270 top
J4#49  EastFront  [AtomConnect2]  208.53 85.72 270 top
J4#50  EastFront  [AtomConnect2]  208.53 47.62 270 top
